# Altium PCB radxa_nx4_io_board_v1.11.PcbDoc (part 10 of 13)
Units mil, origin at the board's own origin, x right, y up, seen from the top; angles counter-clockwise.
Board outline 3937.01 x 3110.23 mil, 6 copper layers (TOP, GND02, ART03, ART04, GND05, BOTTOM), stack 47.2 mil thick; 639 components, 522 nets, 2442 pads, 1896 vias.
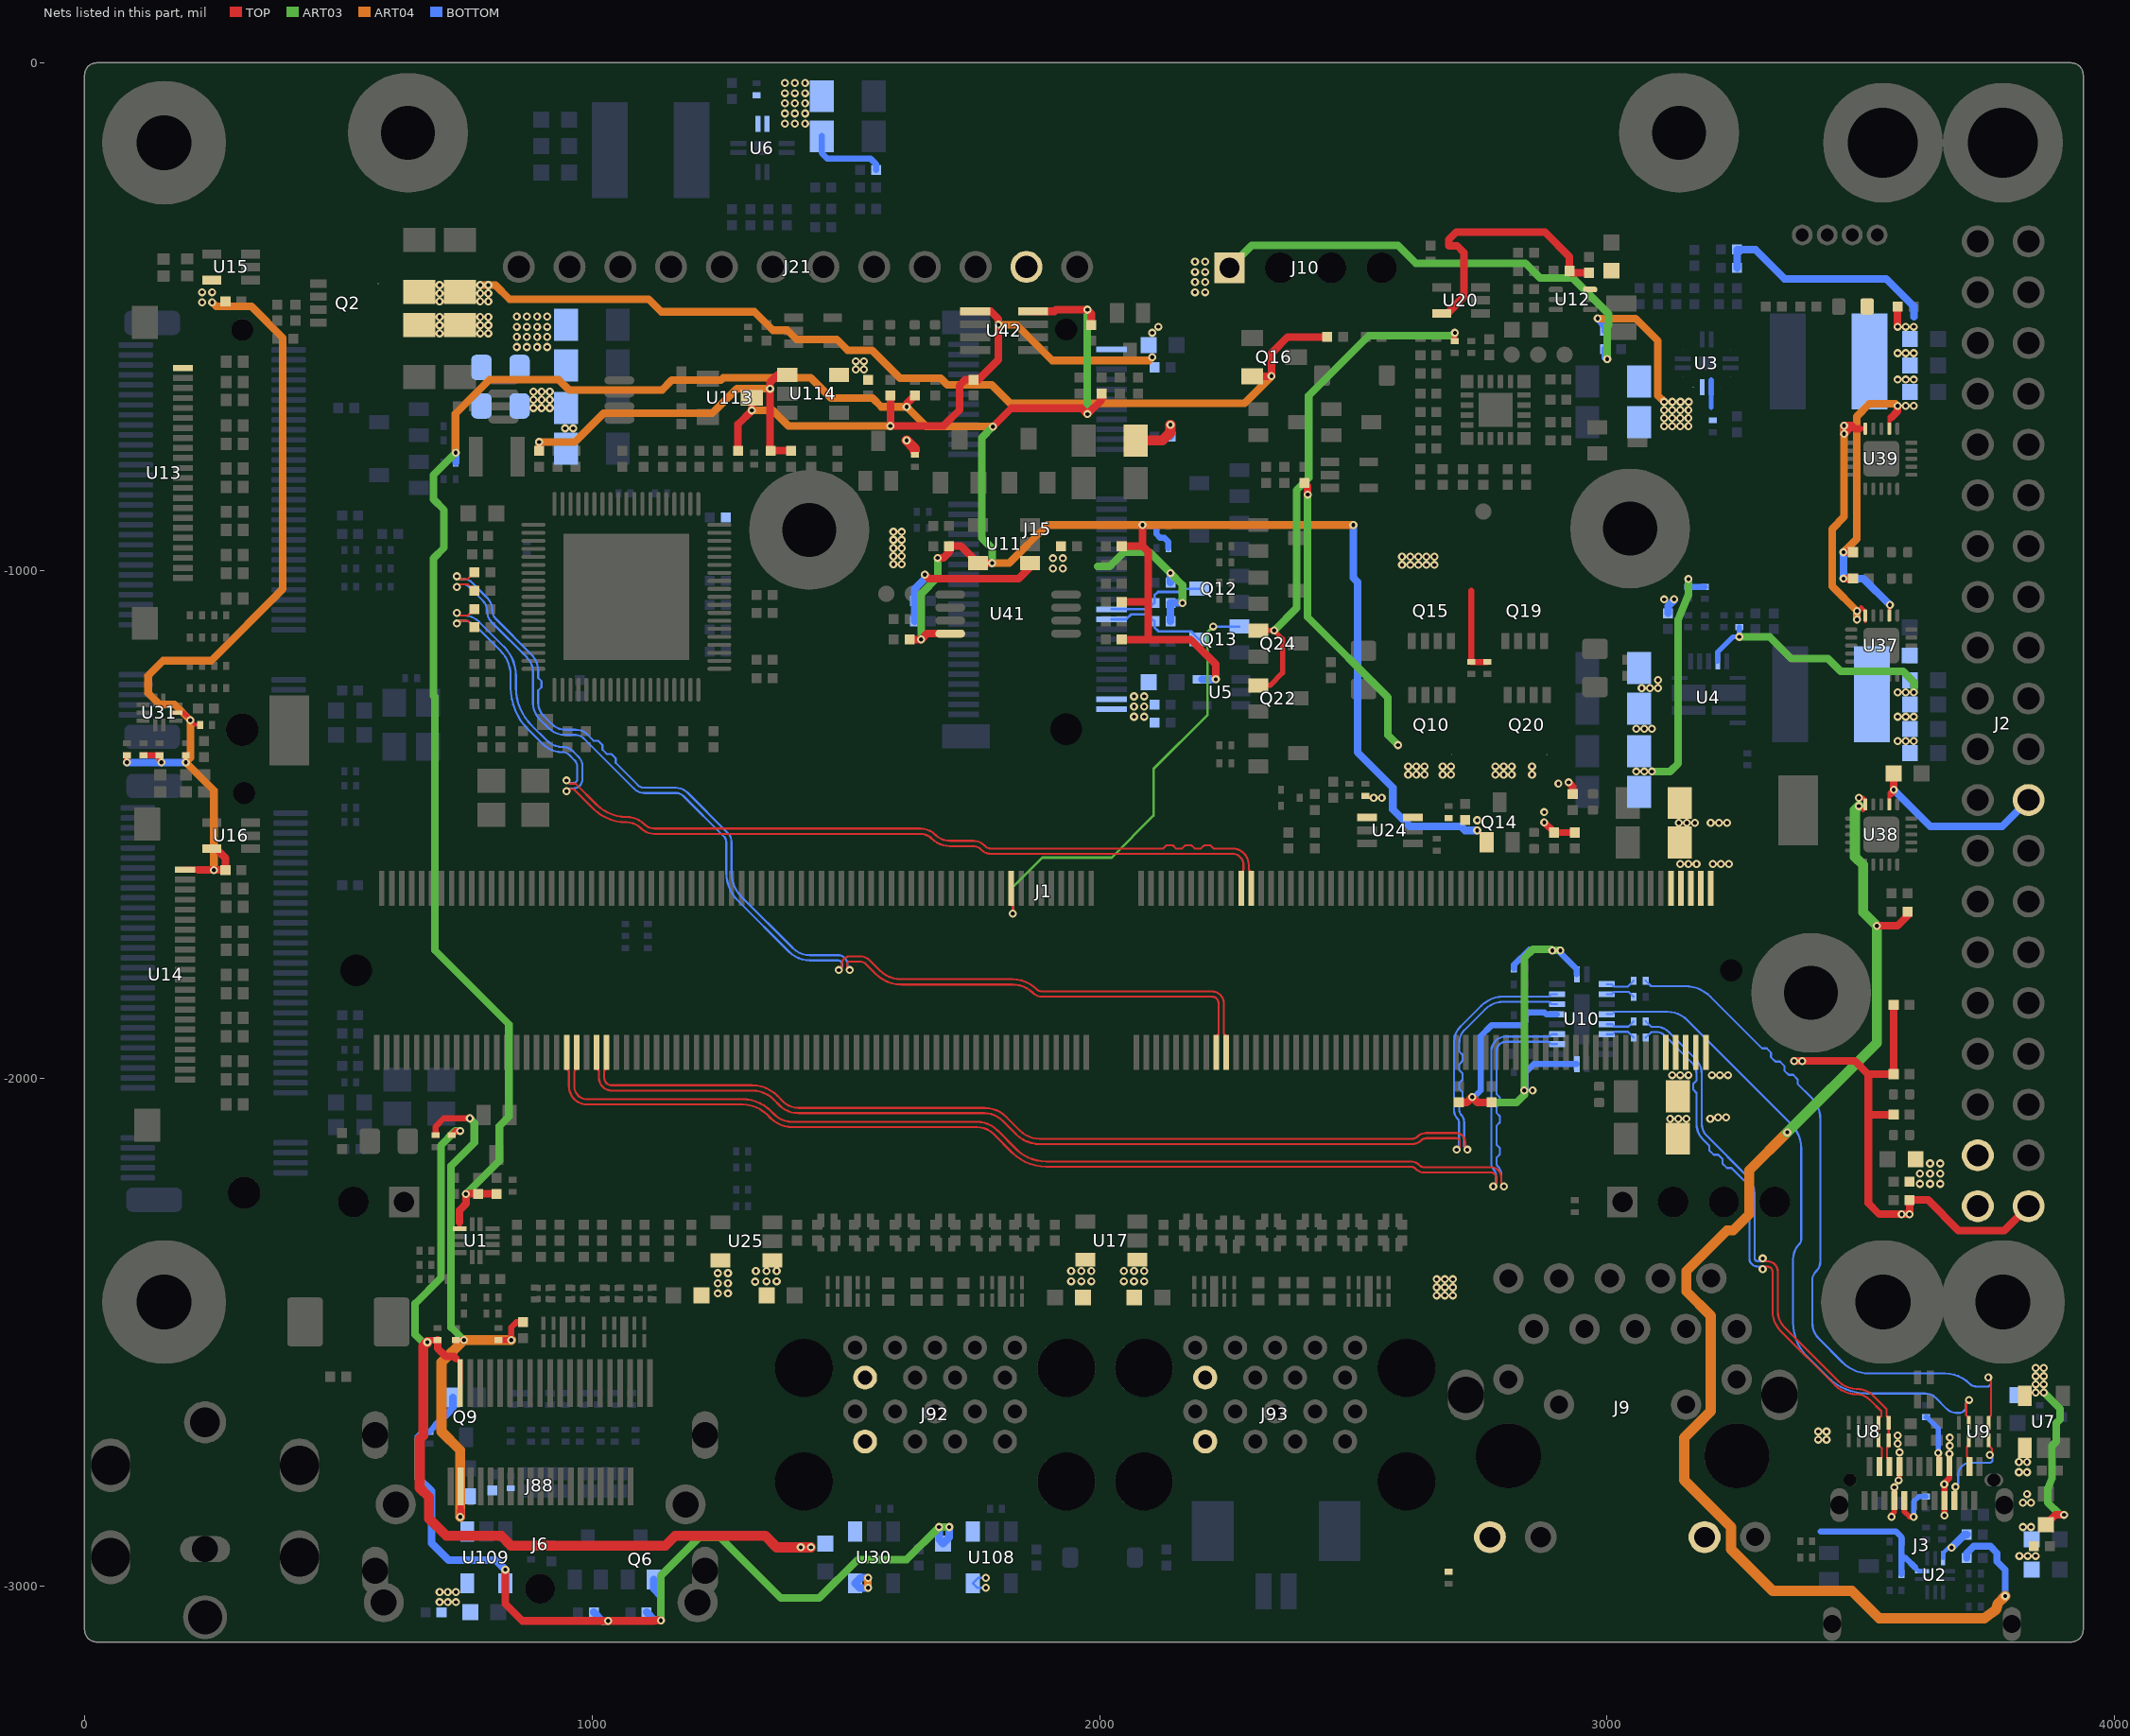
[diagram p14: the nets of this part, all layers, seen from the top]

## Via types
v1: diameter 16, hole 8, TOP to BOTTOM, 1896 vias

## Nets (pads, with @x,y where several pads share a name; then routed paths per layer and width w, separated by ;. In a path a pad name is that pad's centre, name@x,y a point inside that pad or via, vN(x,y) a via of type N, cw(c..) or ccw(c..) an arc to the next point about the centre after c; other vN are vias at no path point) (continued)
USBC_RX2_P: J3.A11 U9.2 U9.9 U10.14 | length 1442
  TOP w4.06: v1(3712.63,-2633.76) 3707.31,-2639.08 3707.31,-2664 3712.32,-2669.01 U9.9@3712.32,-2678.78 U9.2@3712.32,-2713.22 3712.32,-2722.68 3708.84,-2726.16 3708.84,-2744.84 3713.5,-2749.5 J3.A11@3713.5,-2765.19
  BOTTOM w4.06: U10.14@2999.36,-1874 3010.01,-1874 3014.7,-1869.31 3119.05,-1869.31 cw(c3119.04,-1923.07) 3157.06,-1885.06 3361.93,-2089.93 cw(c3312.96,-2138.91) 3382.22,-2138.9 3382.22,-2318.12 cw(c3370.11,-2318.11) 3378.66,-2326.69 ccw(c3408.64,-2356.7) 3366.22,-2356.71 3366.22,-2481.41 ccw(c3461.49,-2481.42) 3394.12,-2548.78 3434.26,-2588.92 ccw(c3511.57,-2511.59) 3511.58,-2620.94 3626.36,-2620.94 cw(c3626.35,-2650.27) 3647.09,-2629.53 3669.14,-2651.58 ccw(c3687.64,-2633.06) 3669.57,-2652 ccw(c3687.65,-2633.08) 3687.65,-2659.25 3692.89,-2659.25 ccw(c3692.89,-2644.83) 3707.31,-2644.83 3707.31,-2639.08 v1(3712.63,-2633.76)
USBC_SBU1: J3.A8 R59.2 | length 109.5
  TOP w10: v1(3652,-2738) 3654.45,-2740.45 J3.A8@3654.45,-2765.19
  BOTTOM w10: R59.2@3628,-2667.81 3629.97,-2667.81 3652,-2689.84 v1(3652,-2738)
USBC_SBU2: J3.B8 R60.2 | length 102.8
  TOP w10: J3.B8@3585.55,-2831.73 3585.55,-2853.98 3595.56,-2863.99 v1(3603.58,-2863.99)
  BOTTOM w10: v1(3603.58,-2863.99) 3603.58,-2834.19 3613.58,-2824.19 R60.2@3628,-2824.19
USBC_TX1_C_N: C31.1 U10.15 | length 59.1
  BOTTOM w4.06: U10.15@2999.36,-1893.68 3009.68,-1893.68 3014.35,-1898.35 3041.84,-1898.35 C31.1@3052.19,-1888
USBC_TX1_C_P: C32.1 U10.16 | length 59.4
  BOTTOM w4.06: U10.16@2999.36,-1913.37 3010.63,-1913.37 3015.29,-1908.71 3040.9,-1908.71 C32.1@3052.19,-1920
USBC_TX1_N: C31.2 J3.A3 U8.1 U8.10 | length 1123.2
  TOP w4.06: v1(3306.42,-2355.06) 3312.29,-2360.93 3316,-2360.93 cw(c3316,-2380.93) 3336,-2380.93 3336,-2458.67 ccw(c3381.07,-2458.67) 3349.2,-2490.54 3456.42,-2597.76 ccw(c3490.79,-2563.4) 3490.79,-2612 cw(c3490.8,-2659.95) 3524.71,-2626.05 3550.36,-2651.7 3550.36,-2665.36 3554.37,-2669.37 U8.1@3554.37,-2678.78 U8.10@3554.37,-2713.22 3554.37,-2725.64 3551.36,-2728.65 3551.36,-2747.36 3556.02,-2752.02 J3.A3@3556.02,-2765.19
  BOTTOM w4.06: C31.2@3075.81,-1888 3086.45,-1898.64 3096.97,-1898.64 cw(c3096.97,-1931.64) 3120.31,-1908.31 3173.75,-1961.75 cw(c3143.25,-1992.26) 3186.39,-1992.25 3186.39,-2089.52 ccw(c3220.71,-2089.51) 3196.45,-2113.79 3276.73,-2194.07 cw(c3243.75,-2227.05) 3290.39,-2227.05 3290.39,-2354.77 ccw(c3296,-2354.77) 3296,-2360.38 3301.1,-2360.38 v1(3306.42,-2355.06)
USBC_TX1_P: C32.2 J3.A2 U8.2 U8.9 | length 1123.7
  TOP w4.06: v1(3306.42,-2376.06) 3311.19,-2371.29 3316,-2371.29 cw(c3316,-2380.93) 3325.64,-2380.93 3325.64,-2458.67 ccw(c3381.08,-2458.68) 3341.87,-2497.87 3449.09,-2605.09 ccw(c3490.78,-2563.4) 3490.79,-2622.36 cw(c3490.79,-2659.94) 3517.38,-2633.38 3540,-2656 3540,-2665.59 3534.68,-2670.91 U8.2@3534.68,-2678.78 U8.9@3534.68,-2713.22 3534.68,-2722.68 3541,-2729 3541,-2747 3536.34,-2751.66 J3.A2@3536.34,-2765.19
  BOTTOM w4.06: C32.2@3075.81,-1920 3086.81,-1909 3096.97,-1909 cw(c3096.96,-1931.64) 3112.98,-1915.64 3166.42,-1969.08 cw(c3143.25,-1992.27) 3176.03,-1992.26 3176.03,-2004.44 3169.73,-2010.74 3169.73,-2022.92 3176.03,-2029.22 3176.03,-2089.53 ccw(c3220.72,-2089.52) 3189.12,-2121.12 3201.23,-2133.23 3201.23,-2142.15 3209.85,-2150.77 3218.77,-2150.77 3227.38,-2159.38 3227.38,-2168.3 3235.99,-2176.91 3244.91,-2176.91 3269.4,-2201.4 cw(c3243.75,-2227.06) 3280.03,-2227.05 3280.03,-2354.77 ccw(c3296,-2354.77) 3296,-2370.74 3301.1,-2370.74 v1(3306.42,-2376.06)
USBC_TX2_C_N: C33.1 U10.11 | length 59.6
  BOTTOM w4.06: U10.11@2999.36,-1814.94 3008.94,-1814.94 3013.61,-1819.61 3040.58,-1819.61 C33.1@3052.19,-1808
USBC_TX2_C_P: C34.1 U10.12 | length 58.9
  BOTTOM w4.06: U10.12@2999.36,-1834.63 3009.37,-1834.63 3014.03,-1829.97 3042.16,-1829.97 C34.1@3052.19,-1840
USBC_TX2_N: C33.2 J3.B3 U9.4 U9.7 | length 1620.6
  TOP w4.06: J3.B3@3683.98,-2831.73 3683.98,-2807.11 v1(3686.12,-2804.97) ; v1(3750.68,-2589.32) 3756,-2594.64 3756,-2664 3751.68,-2668.32 U9.7@3751.68,-2678.78 U9.4@3751.68,-2713.22 3751.68,-2723.68 3758,-2730 3758,-2737.67 3757,-2738.67 3757,-2738.77 v1(3753.68,-2742.09)
  BOTTOM w4.06: C33.2@3075.81,-1808 3086.63,-1818.82 3153.32,-1818.82 cw(c3153.32,-1890.02) 3203.66,-1839.67 3305.23,-1941.24 3314.15,-1941.24 3322.76,-1949.85 3322.76,-1958.77 3331.37,-1967.38 3340.29,-1967.38 3348.9,-1975.99 3348.9,-1984.91 3357.51,-1993.52 3366.43,-1993.52 3375.04,-2002.13 3375.04,-2011.05 3401.41,-2037.42 cw(c3356.53,-2082.3) 3420,-2082.3 3420,-2360.23 cw(c3391.58,-2360.23) 3411.68,-2380.32 ; 3411.67,-2380.33 ccw(c3430.16,-2398.84) 3404,-2398.83 3404,-2481.39 ccw(c3448.95,-2481.39) 3417.17,-2513.18 3463.87,-2559.88 ccw(c3516.4,-2507.35) 3516.4,-2581.64 3665.88,-2581.64 cw(c3665.88,-2648.66) 3713.27,-2601.27 ccw(c3728,-2586.54) 3728,-2607.37 3748.63,-2607.37 ccw(c3748.63,-2600) 3756,-2600 3756,-2594.64 v1(3750.68,-2589.32) ; v1(3686.12,-2804.97) 3691.44,-2799.65 3691.44,-2781.78 cw(c3716,-2781.78) 3716,-2757.22 3753.78,-2757.22 ccw(c3753.78,-2752) 3759,-2752 3759,-2747.41 v1(3753.68,-2742.09)
USBC_VBUS: C66.1 C68.1 C69.1 C72.1 J3.A4 J3.A9 J3.B4 J3.B9 U2.8 U7.1 | length 285.6
  TOP w10: v1(3560,-2864) 3560,-2860 3565.87,-2854.13 J3.B9@3565.87,-2831.73 v1(3565.87,-2805.87) ; v1(3574,-2792) 3575.71,-2790.29 J3.A4@3575.71,-2765.19
  TOP w12: v1(3664.29,-2861.43) J3.B4@3664.29,-2831.73 3664.29,-2800.29 v1(3664,-2800) 3664,-2798 3674.13,-2787.87 J3.A9@3674.13,-2765.19 v1(3674.13,-2739.87)
  BOTTOM w8: U2.8@3661.75,-2945.4 3661.75,-2935.25 3672.63,-2924.37 v1(3678.24,-2924.37)
  BOTTOM w15: v1(3678.24,-2924.37) 3678.88,-2924.37 3704.25,-2899 C66.1@3708.25,-2899
  other v1: 3812,-2941 3828,-2941 3844,-2941 3819,-2884 3835,-2884 3819,-2836 3835,-2836 3827,-2819 3811,-2776 3827,-2776 3811,-2756 3827,-2756 3576,-2737 3675,-2724 3572,-2720 3675,-2708 3572,-2704
USBSS1_RX_N: J1.39 U10.3 | length 2401.3
  TOP w4.06: J1.39@950.19,-1948.92 950.19,-1982.18 954.85,-1986.84 954.85,-2016 ccw(c990.69,-2016) 990.69,-2051.84 1296.34,-2051.84 cw(c1296.33,-2121.48) 1345.58,-2072.24 1351.91,-2078.57 ccw(c1394.94,-2035.52) 1394.93,-2096.39 1758.51,-2096.39 cw(c1758.51,-2142.8) 1791.33,-2109.99 1827.83,-2146.49 ccw(c1895.12,-2079.19) 1895.11,-2174.36 2612.36,-2174.36 cw(c2612.36,-2189.48) 2620.88,-2176.99 cw(c2618.36,-2180.69) 2621.53,-2177.53 2622.8,-2178.79 ccw(c2639.63,-2162.03) 2639.62,-2185.78 2771.05,-2185.78 cw(c2771.05,-2195.71) 2780.98,-2195.71 2780.98,-2207.63 v1(2775.66,-2212.95)
  BOTTOM w4.06: v1(2775.66,-2212.95) 2780.98,-2207.63 2780.98,-2190.83 ccw(c2765.87,-2190.84) 2776.55,-2180.15 cw(c2787.68,-2169.02) 2771.94,-2169.02 2771.94,-1946.09 cw(c2800,-1946.09) 2800,-1918.03 2885.96,-1918.03 2890.62,-1913.37 U10.3@2900.94,-1913.37
USBSS1_RX_P: J1.41 U10.2 | length 2400.7
  TOP w4.06: J1.41@969.87,-1948.92 969.87,-1982.14 965.21,-1986.8 965.21,-2016 ccw(c990.69,-2016) 990.69,-2041.48 1296.34,-2041.48 cw(c1296.34,-2121.49) 1352.91,-2064.91 1359.24,-2071.24 ccw(c1394.95,-2035.52) 1394.94,-2086.03 1758.52,-2086.03 cw(c1758.52,-2142.8) 1798.66,-2102.66 1835.16,-2139.16 ccw(c1895.13,-2079.19) 1895.12,-2164 2612.36,-2164 cw(c2612.36,-2189.49) 2626.72,-2168.43 cw(c2618.4,-2180.73) 2628.85,-2170.18 2630.15,-2171.47 ccw(c2639.64,-2162.04) 2639.63,-2175.42 2771.05,-2175.42 cw(c2771.05,-2195.71) 2791.34,-2195.71 2791.34,-2207.63 v1(2796.66,-2212.95)
  BOTTOM w4.06: 2782.3,-2169.03 2782.3,-2156.39 2788.6,-2150.09 2788.6,-2137.91 2782.3,-2131.61 2782.3,-2093.35 2788.6,-2087.05 2788.6,-2074.87 2782.3,-2068.57 2782.3,-2056.39 2788.6,-2050.09 2788.6,-2037.91 2782.3,-2031.61 2782.3,-1946.09 cw(c2800,-1946.09) 2800,-1928.39 2884.4,-1928.39 2889.06,-1933.05 U10.2@2900.94,-1933.05 ; 2782.31,-2169.02 ccw(c2787.68,-2169.02) 2783.88,-2172.82 cw(c2765.87,-2190.83) 2791.34,-2190.82 2791.34,-2207.63 v1(2796.66,-2212.95)
USBSS1_TX_N: J1.45 U10.7 | length 2285.3
  TOP w4.06: J1.45@1009.24,-1948.92 1009.24,-1981.24 1013.91,-1985.91 1013.91,-1999.12 ccw(c1039.21,-1999.12) 1039.21,-2024.42 1315.73,-2024.42 cw(c1315.72,-2084.04) 1357.89,-2041.89 1369.65,-2053.65 ccw(c1406.64,-2016.65) 1406.65,-2068.97 1773.64,-2068.97 cw(c1773.64,-2118.85) 1808.92,-2083.59 1835.93,-2110.6 ccw(c1882.24,-2064.27) 1882.23,-2129.78 2616.06,-2129.78 ccw(c2616.05,-2105.23) 2633.41,-2122.59 cw(c2643.61,-2132.78) 2643.6,-2118.36 2702.77,-2118.36 cw(c2702.77,-2125.37) 2709.78,-2125.37 2709.78,-2134.61 v1(2703.55,-2140.84)
  BOTTOM w4.06: v1(2703.55,-2140.84) 2707.96,-2136.43 2707.96,-2086.29 ccw(c2699.06,-2086.29) 2705.35,-2080.01 cw(c2721.86,-2063.47) 2698.49,-2063.47 2698.49,-1928.23 cw(c2740.43,-1928.22) 2710.77,-1898.57 2751.92,-1857.42 cw(c2795.68,-1901.17) 2795.67,-1839.29 2884.72,-1839.29 2889.38,-1834.63 U10.7@2900.94,-1834.63
USBSS1_TX_P: J1.47 U10.6 | length 2284.7
  TOP w4.06: J1.47@1028.93,-1948.92 1028.93,-1981.07 1024.27,-1985.73 1024.27,-1999.12 ccw(c1039.21,-1999.12) 1039.21,-2014.06 1315.73,-2014.06 cw(c1315.73,-2084.05) 1365.22,-2034.56 1376.98,-2046.32 ccw(c1406.65,-2016.65) 1406.65,-2058.61 1773.65,-2058.61 cw(c1773.65,-2118.86) 1816.25,-2076.26 1843.26,-2103.27 ccw(c1882.25,-2064.27) 1882.24,-2119.42 2616.05,-2119.42 ccw(c2616.04,-2105.23) 2626.08,-2115.26 cw(c2643.61,-2132.78) 2643.61,-2108 2702.77,-2108 cw(c2702.77,-2125.37) 2720.14,-2125.37 2720.14,-2136.43 v1(2724.55,-2140.84)
  BOTTOM w4.06: 2708.86,-1928.23 cw(c2740.44,-1928.22) 2718.1,-1905.9 2759.25,-1864.75 cw(c2795.69,-1901.16) 2795.68,-1849.65 2885.64,-1849.65 2890.3,-1854.31 U10.6@2900.94,-1854.31 ; 2708.85,-1928.22 2708.85,-1947.61 2715.15,-1953.91 2715.15,-1966.09 2708.85,-1972.39 2708.85,-1984.57 2715.15,-1990.87 2715.15,-2003.05 2708.85,-2009.35 2708.85,-2021.53 2715.15,-2027.83 2715.15,-2040.01 2708.85,-2046.31 2708.85,-2063.47 ccw(c2721.85,-2063.45) 2712.67,-2072.66 ; 2712.68,-2072.68 cw(c2699.06,-2086.3) 2718.32,-2086.3 2718.32,-2134.61 v1(2724.55,-2140.84)
USBSS_TX6_HUB_N: C371.2 J1.161 | length 2145.3
  TOP w4.06: v1(733.97,-1011.5) 735.51,-1011.5 740.83,-1016.82 755.43,-1016.82 C371.2@768.25,-1004 ; v1(1507.68,-1787.04) 1502.49,-1781.85 1502.49,-1776 cw(c1508.13,-1776) 1508.13,-1770.36 1527.74,-1770.36 cw(c1527.73,-1787.86) 1540.11,-1775.49 1559.65,-1795.03 ccw(c1608.87,-1745.82) 1608.87,-1815.42 1828.54,-1815.42 cw(c1828.53,-1872.23) 1868.71,-1832.07 ; 1868.73,-1832.09 ccw(c1886.67,-1814.15) 1886.67,-1839.52 2221.9,-1839.52 cw(c2221.9,-1852) 2234.38,-1852 2234.38,-1912.44 2229.72,-1917.1 J1.161@2229.72,-1948.92
  BOTTOM w4.06: v1(733.97,-1011.5) 739.29,-1016.82 747.08,-1016.82 cw(c747.08,-1040.33) 763.71,-1023.71 793.3,-1053.3 cw(c767.47,-1079.13) 804,-1079.12 ; 804,-1079.13 ccw(c827.02,-1079.13) 810.75,-1095.41 879.87,-1164.53 cw(c844.92,-1199.5) 894.36,-1199.5 894.36,-1211.68 900.66,-1217.98 900.66,-1230.16 894.36,-1236.46 894.36,-1261.45 ccw(c928.8,-1261.43) 904.45,-1285.79 921.86,-1303.2 ccw(c947.07,-1277.98) 947.07,-1313.64 968.01,-1313.64 cw(c968.01,-1346.21) 991.04,-1323.18 1003.16,-1335.3 1012.08,-1335.3 1020.7,-1343.92 1020.7,-1352.84 1029.31,-1361.45 1038.23,-1361.45 1046.84,-1370.06 1046.84,-1378.98 1090.77,-1422.91 ccw(c1103.05,-1410.64) 1103.05,-1428 1165.68,-1428 cw(c1165.67,-1459.37) 1187.85,-1437.18 1267.75,-1517.08 cw(c1250.22,-1534.59) 1275,-1534.59 1275,-1594.43 ccw(c1343.99,-1594.42) 1295.21,-1643.21 1395.54,-1743.54 ccw(c1429.75,-1709.33) 1429.75,-1757.71 1484.98,-1757.71 cw(c1484.98,-1776) 1503.27,-1776 1503.27,-1782.63 v1(1507.68,-1787.04)
USBSS_TX6_HUB_P: C373.2 J1.163 | length 2146.8
  TOP w4.06: v1(733.97,-1032.5) 739.29,-1027.18 755.43,-1027.18 C373.2@768.25,-1040 ; v1(1486.68,-1787.04) 1492.13,-1781.59 1492.13,-1776 cw(c1508.13,-1776) 1508.13,-1760 1527.75,-1760 cw(c1527.74,-1787.86) 1547.44,-1768.16 1566.98,-1787.7 ccw(c1608.88,-1745.82) 1608.87,-1805.06 1828.55,-1805.06 cw(c1828.53,-1872.24) 1876.04,-1824.74 ccw(c1886.68,-1814.15) 1886.67,-1829.16 2221.9,-1829.16 cw(c2221.9,-1852) 2244.74,-1852 2244.74,-1912.44 2249.4,-1917.1 J1.163@2249.4,-1948.92
  BOTTOM w4.06: v1(733.97,-1032.5) 739.29,-1027.18 747.08,-1027.18 cw(c747.07,-1040.33) 756.38,-1031.04 785.97,-1060.63 cw(c767.48,-1079.14) 793.64,-1079.13 ccw(c827.02,-1079.13) 803.42,-1102.74 872.54,-1171.86 cw(c844.92,-1199.51) 884,-1199.5 884,-1261.46 ccw(c928.81,-1261.44) 897.12,-1293.12 914.53,-1310.53 ccw(c947.06,-1277.98) 947.07,-1324 968.01,-1324 cw(c968,-1346.2) 983.71,-1330.51 1083.44,-1430.24 ccw(c1103.04,-1410.64) 1103.05,-1438.36 1165.67,-1438.36 cw(c1165.67,-1459.37) 1180.52,-1444.51 1260.42,-1524.41 cw(c1250.22,-1534.6) 1264.64,-1534.6 1264.64,-1594.43 ccw(c1344,-1594.43) 1287.88,-1650.54 1388.21,-1750.87 ccw(c1429.74,-1709.33) 1429.75,-1768.07 1484.98,-1768.07 cw(c1484.98,-1776) 1492.91,-1776 1492.91,-1780.81 v1(1486.68,-1787.04)
USBSS_TX6_N: C375.2 J1.166 | length 1970.9
  TOP w4.06: v1(733.97,-1083.5) 739.29,-1088.82 755.43,-1088.82 C375.2@768.25,-1076 ; v1(950,-1434.68) 954.41,-1430.27 963.61,-1430.27 1001.87,-1468.53 ccw(c1068.18,-1402.23) 1068.18,-1496 cw(c1068.17,-1536.48) 1096.8,-1507.86 ccw(c1123.15,-1481.52) 1123.16,-1518.78 1646.99,-1518.78 cw(c1646.98,-1550.5) 1669.41,-1528.07 ; 1669.42,-1528.08 ccw(c1705.3,-1492.19) 1705.31,-1542.94 1750.97,-1542.94 cw(c1750.96,-1564.11) 1765.93,-1549.14 1767.03,-1550.24 ccw(c1785.63,-1531.62) 1785.64,-1557.94 2261.53,-1557.94 cw(c2261.53,-1580) 2283.59,-1580 2283.59,-1589.41 2278.93,-1594.07 J1.166@2278.93,-1626.09
  BOTTOM w4.06: v1(733.97,-1083.5) 739.29,-1088.82 747.95,-1088.82 cw(c747.95,-1130.85) 777.67,-1101.13 826.5,-1149.96 cw(c768.88,-1207.57) 850.36,-1207.57 850.36,-1230.67 ccw(c955.5,-1230.67) 881.16,-1305.02 910.84,-1334.7 ccw(c942.01,-1303.53) 942.01,-1347.61 ; 942.04,-1347.61 cw(c942.04,-1377.16) 962.94,-1356.27 973.37,-1366.71 cw(c953.75,-1386.32) 981.49,-1386.34 981.49,-1411 cw(c963.13,-1411) 963.13,-1429.36 955.32,-1429.36 v1(950,-1434.68)
USBSS_TX6_P: C377.2 J1.168 | length 1971.5
  TOP w4.06: v1(733.97,-1104.5) 739.29,-1099.18 755.43,-1099.18 C377.2@768.25,-1112 ; v1(950,-1413.68) 956.23,-1419.91 967.91,-1419.91 1009.2,-1461.2 ccw(c1068.18,-1402.22) 1068.18,-1485.63 cw(c1068.17,-1536.48) 1104.13,-1500.53 ccw(c1123.16,-1481.53) 1123.16,-1508.42 1646.99,-1508.42 cw(c1646.99,-1550.5) 1676.74,-1520.74 ccw(c1705.31,-1492.19) 1705.31,-1532.58 1750.97,-1532.58 cw(c1750.97,-1564.11) 1773.26,-1541.81 1774.36,-1542.91 ccw(c1785.64,-1531.62) 1785.64,-1547.58 2125.69,-1547.58 2131.99,-1541.28 2144.17,-1541.28 2150.47,-1547.58 2162.65,-1547.58 2168.95,-1541.28 2181.13,-1541.28 2187.43,-1547.58 2199.61,-1547.58 2205.91,-1541.28 2218.09,-1541.28 2224.39,-1547.58 2261.53,-1547.58 cw(c2261.53,-1580) 2293.95,-1580 2293.95,-1588.95 2298.61,-1593.61 J1.168@2298.61,-1626.09
  BOTTOM w4.06: v1(733.97,-1104.5) 739.29,-1099.18 747.95,-1099.18 cw(c747.94,-1130.85) 770.34,-1108.46 819.17,-1157.29 cw(c768.88,-1207.58) 840,-1207.57 840,-1230.67 ccw(c955.5,-1230.68) 873.83,-1312.35 903.51,-1342.03 ccw(c942,-1303.52) 942.01,-1357.97 ; 942.03,-1357.97 cw(c942.02,-1377.16) 955.6,-1363.6 966.04,-1374.04 cw(c953.75,-1386.33) 971.13,-1386.33 971.13,-1411 cw(c963.13,-1411) 963.13,-1419 955.32,-1419 v1(950,-1413.68)
VCC5V0_HUB: C401.1 C402.1 R361.2 U114.1 | length 730.8
  TOP w15: R361.2@896,-764.25 v1(896,-747) ; U114.1@1384.82,-614.6 1366,-614.6 1351,-629.6 v1(1351,-642) 1351,-763.25 C401.1@1352,-764.25 C402.1@1392,-764.25
  ART04 w15: v1(896,-747) 966.41,-747 1022.91,-690.5 1237.5,-690.5 1286,-642 v1(1351,-642)
VDD_1V8: C24.1 C50.1 C151.1 C160.1 C163.2 Q14.1 R3.1 R4.1 R26.1 R62.1 R63.1 R64.1 R69.1 R70.1 R126.1 R200.1 R208.1 R209.1 R210.1 R218.1 R222.1 R223.1 U1.9 U5.5 U11.5 U24.6 U37.20 U38.20 U39.20 U41.8 U42.8 | length 9749.8
  TOP w8: U1.9@739.52,-2296.38 739.52,-2284 ; v1(3496,-1448) 3504,-1448 3508.5,-1452.5 U38.20@3508.5,-1460.76 3508.5,-1467.5 3504,-1472 ; 3496,-720.76 U39.20@3508.5,-720.76 ; 3500,-1072 3508.5,-1080.5 U37.20@3508.5,-1088.76 U37.20@3508.5,-1099.5
  TOP w13.78: v1(2876,-1496) 2895,-1515 R4.1@2895,-1516.25 R3.1@2936,-1516.25
  TOP w15: 739.52,-2284 739.52,-2259.93 752,-2247.45 v1(752,-2228) 770.75,-2228 771,-2227.75 C50.1@776,-2227.75 R26.1@812,-2227.75 ; v1(1620,-677.75) 1620,-671.75 R223.1@1636,-655.75 ; C160.1@1625.75,-1136 v1(1648.59,-1136) 1660.19,-1124.4 U41.8@1705.8,-1124.4 ; v1(1681.12,-975.34) 1692.66,-975.34 1703.75,-964.25 C24.1@1703.75,-952 1727.42,-952 U11.5@1760.82,-985.4 v1(1788.47,-985.4) ; v1(1790,-716.69) 1826.16,-680.53 1964.53,-680.53 v1(1976,-692) 2004,-664 R222.1@2004,-651.75 ; U42.8@1869.09,-489.61 1911.12,-489.61 1914.42,-486.31 v1(1976,-486.31) 1984,-494.31 C163.2@1984,-516.25 ; R210.1@2043.75,-1136 2096,-1136 ; R209.1@2043.75,-1062 2096,-1062 ; R208.1@2043.75,-952 2084.6,-952 ; v1(2084.6,-910.46) 2084.6,-952 ; v1(2229,-1214.41) 2229,-1185 2180,-1136 2096,-1136 ; 3496,-720.76 3488.4,-720.76 3482.64,-715 ; v1(3531,-1700) 3572,-1700 3591.75,-1680.25 R200.1@3591.75,-1672 ; 2084.6,-952 2096,-963.4 2096,-1062 ; 2096,-1136 2096,-1062 ; 3482.64,-715 v1(3466.64,-715) v1(3466.64,-731) 3482.64,-715
  ART03 w15: v1(731.81,-768) 688,-811.81 688,-860 708.76,-880.76 708.76,-955.24 688,-976 688,-1247 690.33,-1249.33 690.33,-1747.71 836.5,-1893.88 836.5,-2075.58 817.84,-2094.24 817.84,-2162.16 v1(752,-2228) ; v1(1648.59,-1136) 1648.59,-1045.76 1681.5,-1012.85 1681.5,-975.72 v1(1681.12,-975.34) ; v1(1788.47,-985.4) 1788.47,-956.48 1768,-936.01 1768,-738.69 v1(1790,-716.69) ; v1(1976,-692) v1(1976,-486.31)
  ART03 w20: v1(3354.76,-2106.75) 3531,-1930.51 v1(3531,-1700) 3504,-1673 3504,-1580 3488,-1564 3488,-1472 v1(3496,-1464)
  ART04 w15: v1(731.81,-768) 731.2,-767.39 731.2,-691.25 797.95,-624.5 934.94,-624.5 954.94,-644.5 1138.22,-644.5 1157.37,-625.35 1254.22,-625.35 1259.07,-620.5 1430.82,-620.5 1470.82,-660.5 1552.91,-660.5 1570.16,-677.75 v1(1620,-677.75) 1658.94,-716.69 v1(1790,-716.69) ; v1(1788.47,-985.4) 1822.02,-985.4 1896.96,-910.46 v1(2084.6,-910.46) 2499.95,-910.46 v1(2500,-910.41) ; v1(3466.64,-715) v1(3466.64,-731) 3466.64,-894.52 3443,-918.16 3443,-1031 v1(3492,-1080) v1(3492,-1096.76)
  ART04 w20: v1(3354.76,-2106.75) 3280,-2181.51 3280,-2268 3248,-2300 3236,-2300 3156,-2380 3156,-2420 3204,-2468 3204,-2656 3152,-2708 3152,-2792 3244,-2884 3244,-2928 3326,-3010 3482,-3010 3536,-3064 3742.9,-3064 3765.63,-3047.15 3769.44,-3034.56 v1(3784,-3020)
  BOTTOM w12: R70.1@2112.19,-912 2112.19,-928.19 2120,-936 2128,-936 2135.81,-943.81 R69.1@2135.81,-956
  BOTTOM w13.78: R62.1@731.81,-788 v1(731.81,-768) R64.1@731.81,-744 R63.1@731.81,-716 ; R126.1@3708.25,-2944.86 3708.25,-2935.91 3722.03,-2922.13 3754.93,-2922.13 3768,-2935.2 3768,-2952 3784,-2968 v1(3784,-3020)
  BOTTOM w15: v1(2084.6,-910.46) 2110.65,-910.46 R70.1@2112.19,-912 ; U5.5@2201.81,-1214.41 v1(2229,-1214.41) ; v1(2500,-910.41) 2500,-1014.41 2508,-1022.41 2508,-1358 2577.7,-1427.7 2577.7,-1470.29 2611.41,-1504 2712,-1504 2720,-1512 v1(2744,-1512)
  other v1: 2744,-1492 2876,-1476
VDD_3V3_DP: C87.1 C125.1 J88.20 R24.2 U30.1 | length 1780.5
  TOP w10: 732,-2552 740.52,-2560.52 J88.20@740.52,-2600.64
  TOP w12: v1(675.81,-2520) 680,-2515.81 C87.1@696,-2515.81 ; R24.2@724,-2112.19 732.26,-2103.93 v1(740.66,-2103.93)
  TOP w15: C87.1@696,-2515.81 696,-2532 712,-2548 728,-2548 732,-2552
  TOP w20: v1(675.81,-2520) 668,-2527.81 668,-2704 661,-2711 661,-2806.74 679.13,-2824.87 679.13,-2867.13 713.5,-2901.5 821.5,-2901.5 840.81,-2920.81 1144.69,-2920.81 1164,-2901.5 1341.5,-2901.5 1364,-2924 v1(1411.43,-2924) v1(1431.25,-2924)
  ART03 w15: v1(675.81,-2520) 667,-2520 652,-2505 652,-2444.01 702.5,-2393.51 702.5,-2132.5 731.07,-2103.93 v1(740.66,-2103.93)
VDD_3V3_HDMI: C169.1 Q6.1 Q9.1 R77.1 R127.2 R128.1 U108.1 U109.4 | length 1940.5
  TOP w15: v1(829.4,-2968) 829.4,-3035.36 863,-3068.96 v1(1032,-3068.96) 1123.04,-3068.96 1124,-3068 v1(1136,-3068)

## Text inside footprints (layer, text, board x,y; h text height)
J1: REVISION "2" at 1874.15,-1783.57 h40 r180; PIN_NUMBER "236" at 2958.31,-1626.09 h8 r180; PIN_NUMBER "238" at 2977.99,-1626.09 h8 r180; PIN_NUMBER "231" at 2909.09,-1948.92 h8 r180; PIN_NUMBER "80" at 1347.33,-1626.09 h8 r180; PIN_NUMBER "86" at 1406.39,-1626.09 h8 r180; PIN_NUMBER "62" at 1170.17,-1626.09 h8 r180; PIN_NUMBER "38" at 933.95,-1626.09 h8 r180; PIN_NUMBER "32" at 874.89,-1626.09 h8 r180; PIN_NUMBER "26" at 815.84,-1626.09 h8 r180; PIN_NUMBER "135" at 1885.47,-1948.92 h8 r180; PIN_NUMBER "141" at 1944.53,-1948.92 h8 r180; PIN_NUMBER "119" at 1727.99,-1948.92 h8 r180; PIN_NUMBER "125" at 1787.05,-1948.92 h8 r180; PIN_NUMBER "171" at 2318.54,-1948.92 h8 r180; PIN_NUMBER "177" at 2377.6,-1948.92 h8 r180; PIN_NUMBER "201" at 2613.82,-1948.92 h8 r180; PIN_NUMBER "250" at 3096.1,-1626.09 h8 r180; PIN_NUMBER "248" at 3076.42,-1626.09 h8 r180; PIN_NUMBER "246" at 3056.73,-1626.09 h8 r180; PIN_NUMBER "244" at 3037.05,-1626.09 h8 r180; PIN_NUMBER "242" at 3017.36,-1626.09 h8 r180; PIN_NUMBER "73" at 1278.44,-1948.92 h8 r180; PIN_NUMBER "19" at 746.94,-1948.92 h8 r180; PIN_NUMBER "25" at 805.99,-1948.92 h8 r180; PIN_NUMBER "49" at 1042.21,-1948.92 h8 r180; PIN_NUMBER "50" at 1052.06,-1626.09 h8 r180; PIN_NUMBER "2" at 582.82,-1626.09 h8 r180; PIN_NUMBER "1" at 572.97,-1948.92 h8 r180; PIN_NUMBER "7" at 632.03,-1948.92 h8 r180; PIN_NUMBER "13" at 687.88,-1948.92 h8 r180; PIN_NUMBER "200" at 2603.98,-1626.09 h8 r180; PIN_NUMBER "241" at 3007.52,-1948.92 h8 r180; PIN_NUMBER "243" at 3027.2,-1948.92 h8 r180; PIN_NUMBER "245" at 3046.89,-1948.92 h8 r180; PIN_NUMBER "247" at 3066.57,-1948.92 h8 r180; PIN_NUMBER "249" at 3086.26,-1948.92 h8 r180; PIN_NUMBER "158" at 2190.59,-1626.09 h8 r180; PIN_NUMBER "152" at 2131.53,-1626.09 h8 r180; PIN_NUMBER "164" at 2249.64,-1626.09 h8 r180; PIN_NUMBER "165" at 2259.49,-1948.92 h8 r180; PIN_NUMBER "159" at 2200.43,-1948.92 h8 r180; PIN_NUMBER "153" at 2141.38,-1948.92 h8 r180; PIN_NUMBER "85" at 1396.55,-1948.92 h8 r180; PIN_NUMBER "79" at 1337.49,-1948.92 h8 r180; PIN_NUMBER "132" at 1855.94,-1626.09 h8 r180; PIN_NUMBER "138" at 1915,-1626.09 h8 r180; PIN_NUMBER "144" at 1974.05,-1626.09 h8 r180; PIN_NUMBER "261" at 3366.77,-1472.55 h8 r180; PIN_NUMBER "262" at 394.33,-1315.07 h8 r180; PIN_NUMBER "55" at 1101.27,-1948.92 h8 r180; PIN_NUMBER "61" at 1160.32,-1948.92 h8 r180; PIN_NUMBER "146" at 2072.48,-1626.09 h8 r180; PIN_NUMBER "113" at 1668.94,-1948.92 h8 r180; PIN_NUMBER "102" at 1560.67,-1626.09 h8 r180; PIN_NUMBER "129" at 1826.42,-1948.92 h8 r180; PIN_NUMBER "147" at 2082.32,-1948.92 h8 r180; PIN_NUMBER "8" at 641.87,-1626.09 h8 r180; PIN_NUMBER "14" at 697.73,-1626.09 h8 r180; PIN_NUMBER "20" at 756.78,-1626.09 h8 r180; PIN_NUMBER "44" at 993,-1626.09 h8 r180; PIN_NUMBER "56" at 1111.11,-1626.09 h8 r180; PIN_NUMBER "68" at 1229.22,-1626.09 h8 r180; PIN_NUMBER "74" at 1288.28,-1626.09 h8 r180; PIN_NUMBER "107" at 1609.88,-1948.92 h8 r180; PIN_NUMBER "37" at 924.1,-1948.92 h8 r180; PIN_NUMBER "67" at 1219.38,-1948.92 h8 r180; PIN_NUMBER "31" at 865.05,-1948.92 h8 r180; PIN_NUMBER "43" at 983.16,-1948.92 h8 r180; PIN_NUMBER "170" at 2308.7,-1626.09 h8 r180; PIN_NUMBER "176" at 2367.75,-1626.09 h8 r180; PIN_NUMBER "99" at 1534.34,-1948.92 h8 r180; PIN_NUMBER "101" at 1550.83,-1948.92 h8 r180; PIN_NUMBER "199" at 2594.13,-1948.92 h8 r180; PIN_NUMBER "197" at 2574.45,-1948.92 h8 r180; PIN_NUMBER "96" at 1504.81,-1626.09 h8 r180; PIN_NUMBER "94" at 1485.13,-1626.09 h8 r180; PIN_NUMBER "230" at 2899.25,-1626.09 h8 r180; PIN_NUMBER "123" at 1767.36,-1948.92 h8 r180; PIN_NUMBER "108" at 1619.72,-1626.09 h8 r180; PIN_NUMBER "110" at 1639.41,-1626.09 h8 r180; PIN_NUMBER "128" at 1816.57,-1626.09 h8 r180; PIN_NUMBER "178" at 2387.44,-1626.09 h8 r180; PIN_NUMBER "175" at 2357.91,-1948.92 h8 r180; PIN_NUMBER "167" at 2279.17,-1948.92 h8 r180; PIN_NUMBER "235" at 2948.46,-1948.92 h8 r180; PIN_NUMBER "105" at 1590.2,-1948.92 h8 r180; PIN_NUMBER "186" at 2466.18,-1626.09 h8 r180; PIN_NUMBER "184" at 2446.49,-1626.09 h8 r180; PIN_NUMBER "192" at 2525.24,-1626.09 h8 r180; PIN_NUMBER "190" at 2505.55,-1626.09 h8 r180; PIN_NUMBER "198" at 2584.29,-1626.09 h8 r180; PIN_NUMBER "196" at 2564.61,-1626.09 h8 r180; PIN_NUMBER "204" at 2643.35,-1626.09 h8 r180; PIN_NUMBER "202" at 2623.66,-1626.09 h8 r180; PIN_NUMBER "169" at 2298.86,-1948.92 h8 r180; PIN_NUMBER "71" at 1258.75,-1948.92 h8 r180; PIN_NUMBER "161" at 2220.12,-1948.92 h8 r180; PIN_NUMBER "162" at 2229.96,-1626.09 h8 r180; PIN_NUMBER "77" at 1317.81,-1948.92 h8 r180; PIN_NUMBER "150" at 2111.85,-1626.09 h8 r180; PIN_NUMBER "163" at 2239.8,-1948.92 h8 r180; PIN_NUMBER "142" at 1954.37,-1626.09 h8 r180; PIN_NUMBER "100" at 1540.98,-1626.09 h8 r180; PIN_NUMBER "213" at 2731.93,-1948.92 h8 r180; PIN_NUMBER "215" at 2751.61,-1948.92 h8 r180; PIN_NUMBER "157" at 2180.75,-1948.92 h8 r180; PIN_NUMBER "182" at 2426.81,-1626.09 h8 r180; PIN_NUMBER "173" at 2338.23,-1948.92 h8 r180; PIN_NUMBER "151" at 2121.69,-1948.92 h8 r180; PIN_NUMBER "63" at 1180.01,-1948.92 h8 r180; PIN_NUMBER "154" at 2151.22,-1626.09 h8 r180; PIN_NUMBER "234" at 2938.62,-1626.09 h8 r180; PIN_NUMBER "4" at 602.5,-1626.09 h8 r180; PIN_NUMBER "228" at 2879.57,-1626.09 h8 r180; PIN_NUMBER "185" at 2456.34,-1948.92 h8 r180; PIN_NUMBER "18" at 737.1,-1626.09 h8 r180; PIN_NUMBER "179" at 2397.28,-1948.92 h8 r180; PIN_NUMBER "6" at 622.19,-1626.09 h8 r180; PIN_NUMBER "16" at 717.41,-1626.09 h8 r180; PIN_NUMBER "187" at 2476.02,-1948.92 h8 r180; PIN_NUMBER "12" at 678.04,-1626.09 h8 r180; PIN_NUMBER "36" at 914.26,-1626.09 h8 r180; PIN_NUMBER "214" at 2741.77,-1626.09 h8 r180; PIN_NUMBER "75" at 1298.12,-1948.92 h8 r180; PIN_NUMBER "122" at 1757.52,-1626.09 h8 r180; PIN_NUMBER "237" at 2968.15,-1948.92 h8 r180; PIN_NUMBER "180" at 2407.12,-1626.09 h8 r180; PIN_NUMBER "194" at 2544.92,-1626.09 h8 r180; PIN_NUMBER "95" at 1494.97,-1948.92 h8 r180; PIN_NUMBER "232" at 2918.94,-1626.09 h8 r180; PIN_NUMBER "174" at 2348.07,-1626.09 h8 r180; PIN_NUMBER "168" at 2289.01,-1626.09 h8 r180; PIN_NUMBER "172" at 2328.38,-1626.09 h8 r180; PIN_NUMBER "83" at 1376.86,-1948.92 h8 r180; PIN_NUMBER "127" at 1806.73,-1948.92 h8 r180; PIN_NUMBER "91" at 1455.6,-1948.92 h8 r180; PIN_NUMBER "208" at 2682.72,-1626.09 h8 r180; PIN_NUMBER "183" at 2436.65,-1948.92 h8 r180; PIN_NUMBER "98" at 1524.5,-1626.09 h8 r180; PIN_NUMBER "97" at 1514.66,-1948.92 h8 r180; PIN_NUMBER "69" at 1239.06,-1948.92 h8 r180; PIN_NUMBER "239" at 2987.83,-1948.92 h8 r180; PIN_NUMBER "81" at 1357.18,-1948.92 h8 r180; PIN_NUMBER "118" at 1718.15,-1626.09 h8 r180; PIN_NUMBER "189" at 2495.71,-1948.92 h8 r180; PIN_NUMBER "140" at 1934.68,-1626.09 h8 r180; PIN_NUMBER "240" at 2997.68,-1626.09 h8 r180; PIN_NUMBER "210" at 2702.4,-1626.09 h8 r180; PIN_NUMBER "160" at 2210.27,-1626.09 h8 r180; PIN_NUMBER "181" at 2416.97,-1948.92 h8 r180; PIN_NUMBER "65" at 1199.69,-1948.92 h8 r180; PIN_NUMBER "24" at 796.15,-1626.09 h8 r180; PIN_NUMBER "139" at 1924.84,-1948.92 h8 r180; PIN_NUMBER "136" at 1895.31,-1626.09 h8 r180; PIN_NUMBER "111" at 1649.25,-1948.92 h8 r180; PIN_NUMBER "114" at 1678.78,-1626.09 h8 r180; PIN_NUMBER "216" at 2761.46,-1626.09 h8 r180; PIN_NUMBER "156" at 2170.9,-1626.09 h8 r180; PIN_NUMBER "211" at 2712.24,-1948.92 h8 r180; PIN_NUMBER "137" at 1905.16,-1948.92 h8 r180; PIN_NUMBER "149" at 2102.01,-1948.92 h8 r180; PIN_NUMBER "155" at 2161.06,-1948.92 h8 r180; PIN_NUMBER "22" at 776.47,-1626.09 h8 r180; PIN_NUMBER "134" at 1875.63,-1626.09 h8 r180; PIN_NUMBER "148" at 2092.16,-1626.09 h8 r180; PIN_NUMBER "166" at 2269.33,-1626.09 h8 r180; PIN_NUMBER "133" at 1865.79,-1948.92 h8 r180; PIN_NUMBER "188" at 2485.86,-1626.09 h8 r180; PIN_NUMBER "233" at 2928.78,-1948.92 h8 r180; PIN_NUMBER "131" at 1846.1,-1948.92 h8 r180; PIN_NUMBER "89" at 1435.92,-1948.92 h8 r180; PIN_NUMBER "104" at 1580.35,-1626.09 h8 r180; PIN_NUMBER "112" at 1659.09,-1626.09 h8 r180; PIN_NUMBER "206" at 2663.03,-1626.09 h8 r180; PIN_NUMBER "106" at 1600.04,-1626.09 h8 r180; PIN_NUMBER "130" at 1836.26,-1626.09 h8 r180; PIN_NUMBER "109" at 1629.57,-1948.92 h8 r180; PIN_NUMBER "87" at 1416.23,-1948.92 h8 r180; PIN_NUMBER "30" at 855.21,-1626.09 h8 r180; PIN_NUMBER "115" at 1688.62,-1948.92 h8 r180; PIN_NUMBER "126" at 1796.89,-1626.09 h8 r180; PIN_NUMBER "117" at 1708.31,-1948.92 h8 r180; PIN_NUMBER "193" at 2535.08,-1948.92 h8 r180; PIN_NUMBER "10" at 658.36,-1626.09 h8 r180; PIN_NUMBER "28" at 835.52,-1626.09 h8 r180; PIN_NUMBER "120" at 1737.83,-1626.09 h8 r180; PIN_NUMBER "218" at 2781.14,-1626.09 h8 r180; PIN_NUMBER "93" at 1475.29,-1948.92 h8 r180; PIN_NUMBER "116" at 1698.46,-1626.09 h8 r180; PIN_NUMBER "34" at 894.58,-1626.09 h8 r180; PIN_NUMBER "195" at 2554.76,-1948.92 h8 r180; PIN_NUMBER "124" at 1777.2,-1626.09 h8 r180; PIN_NUMBER "121" at 1747.68,-1948.92 h8 r180; PIN_NUMBER "103" at 1570.51,-1948.92 h8 r180; PIN_NUMBER "217" at 2771.3,-1948.92 h8 r180; PIN_NUMBER "260" at 3194.53,-1626.09 h8 r180; PIN_NUMBER "258" at 3174.84,-1626.09 h8 r180; PIN_NUMBER "256" at 3155.16,-1626.09 h8 r180; PIN_NUMBER "254" at 3135.47,-1626.09 h8 r180; PIN_NUMBER "252" at 3115.79,-1626.09 h8 r180; PIN_NUMBER "251" at 3105.94,-1948.92 h8 r180; PIN_NUMBER "253" at 3125.63,-1948.92 h8 r180; PIN_NUMBER "255" at 3145.31,-1948.92 h8 r180; PIN_NUMBER "257" at 3165,-1948.92 h8 r180; PIN_NUMBER "259" at 3184.68,-1948.92 h8 r180; PIN_NUMBER "212" at 2722.09,-1626.09 h8 r180; PIN_NUMBER "29" at 845.36,-1948.92 h8 r180; PIN_NUMBER "27" at 825.68,-1948.92 h8 r180; PIN_NUMBER "42" at 973.32,-1626.09 h8 r180; PIN_NUMBER "40" at 953.63,-1626.09 h8 r180; PIN_NUMBER "48" at 1032.37,-1626.09 h8 r180; PIN_NUMBER "46" at 1012.69,-1626.09 h8 r180; PIN_NUMBER "54" at 1091.43,-1626.09 h8 r180; PIN_NUMBER "52" at 1071.74,-1626.09 h8 r180; PIN_NUMBER "60" at 1150.48,-1626.09 h8 r180; PIN_NUMBER "58" at 1130.8,-1626.09 h8 r180; PIN_NUMBER "66" at 1209.54,-1626.09 h8 r180; PIN_NUMBER "64" at 1189.85,-1626.09 h8 r180; PIN_NUMBER "39" at 943.79,-1948.92 h8 r180; PIN_NUMBER "45" at 1002.84,-1948.92 h8 r180; PIN_NUMBER "229" at 2889.41,-1948.92 h8 r180; PIN_NUMBER "227" at 2869.72,-1948.92 h8 r180; PIN_NUMBER "225" at 2850.04,-1948.92 h8 r180; PIN_NUMBER "223" at 2830.35,-1948.92 h8 r180; PIN_NUMBER "221" at 2810.67,-1948.92 h8 r180; PIN_NUMBER "47" at 1022.53,-1948.92 h8 r180; PIN_NUMBER "219" at 2790.98,-1948.92 h8 r180; PIN_NUMBER "143" at 1964.21,-1948.92 h8 r180; PIN_NUMBER "145" at 2062.64,-1948.92 h8 r180; PIN_NUMBER "41" at 963.47,-1948.92 h8 r180; PIN_NUMBER "3" at 592.66,-1948.92 h8 r180; PIN_NUMBER "5" at 612.34,-1948.92 h8 r180; PIN_NUMBER "17" at 727.25,-1948.92 h8 r180; PIN_NUMBER "15" at 707.57,-1948.92 h8 r180; PIN_NUMBER "11" at 668.2,-1948.92 h8 r180; PIN_NUMBER "9" at 651.71,-1948.92 h8 r180; PIN_NUMBER "23" at 786.31,-1948.92 h8 r180; PIN_NUMBER "21" at 766.62,-1948.92 h8 r180; PIN_NUMBER "33" at 884.73,-1948.92 h8 r180; PIN_NUMBER "35" at 904.42,-1948.92 h8 r180; PIN_NUMBER "88" at 1426.07,-1626.09 h8 r180; PIN_NUMBER "92" at 1465.44,-1626.09 h8 r180; PIN_NUMBER "90" at 1445.76,-1626.09 h8 r180; PIN_NUMBER "203" at 2633.5,-1948.92 h8 r180; PIN_NUMBER "224" at 2840.2,-1626.09 h8 r180; PIN_NUMBER "209" at 2692.56,-1948.92 h8 r180; PIN_NUMBER "205" at 2653.19,-1948.92 h8 r180; PIN_NUMBER "226" at 2859.88,-1626.09 h8 r180; PIN_NUMBER "222" at 2820.51,-1626.09 h8 r180; PIN_NUMBER "207" at 2672.87,-1948.92 h8 r180; PIN_NUMBER "220" at 2800.83,-1626.09 h8 r180; PIN_NUMBER "191" at 2515.39,-1948.92 h8 r180; PIN_NUMBER "57" at 1120.95,-1948.92 h8 r180; PIN_NUMBER "59" at 1140.64,-1948.92 h8 r180; PIN_NUMBER "51" at 1061.9,-1948.92 h8 r180; PIN_NUMBER "53" at 1081.58,-1948.92 h8 r180; PIN_NUMBER "76" at 1307.96,-1626.09 h8 r180; PIN_NUMBER "70" at 1248.91,-1626.09 h8 r180; PIN_NUMBER "84" at 1386.7,-1626.09 h8 r180; PIN_NUMBER "82" at 1367.02,-1626.09 h8 r180; PIN_NUMBER "72" at 1268.59,-1626.09 h8 r180; PIN_NUMBER "78" at 1327.65,-1626.09 h8 r180; NVIDIA_INFO "2.50" at 2237.75,-2072 h31.5 r180; NVIDIA_INFO "28.50" at 2694.36,-2165.58 h31.5 r180; NVIDIA_INFO "1.025" at 767.51,-2056.76 h31.5 r180; NVIDIA_INFO "35.50" at 1336.09,-2167.15 h31.5 r180; NVIDIA_INFO "68.80" at 1951.25,-2308.57 h31.5 r180; NVIDIA_INFO "1.75" at 388.93,-2063.1 h31.5 r270; NVIDIA_INFO "4.10" at 3521.72,-1828.37 h31.5 r270; NVIDIA_INFO "4.10" at 3521.72,-1666.96 h31.5 r270; NVIDIA_INFO "8.00" at 3700.07,-1581.92 h31.5 r270; NVIDIA_INFO "28.50" at 2704.21,-1323.33 h31.5 r180; NVIDIA_INFO "2.00" at 3580.5,-1324.51 h31.5 r180; NVIDIA_INFO "2.50" at 2220.27,-1228.65 h31.5 r180; NVIDIA_INFO "37.90" at 1370.03,-1287.35 h31.5 r180; NVIDIA_INFO "35.50" at 1375.98,-1373.45 h31.5 r180; NVIDIA_INFO "3.35" at 3587.08,-1188.22 h31.5 r180; NVIDIA_INFO "75.50" at 1951.25,-1055.58 h31.5 r180; NVIDIA_INFO "3.50" at 3641.53,-1265.46 h31.5 r270; NVIDIA_INFO "3.35" at 517.71,-1117.74 h31.5 r180; NVIDIA_INFO "12.00" at 243.26,-1498.14 h31.5 r270; NVIDIA_INFO "1.275" at 782.67,-1209.16 h31.5 r180; NVIDIA_INFO "0.50" at 1185.43,-2052.35 h31.5 r180; NVIDIA_INFO "0.28" at 1494.87,-2055.97 h31.5 r180; NVIDIA_INFO "0.50" at 1155.9,-1509.79 h31.5 r180; NVIDIA_INFO "3.50" at 293.85,-1107.98 h31.5 r270; NVIDIA_INFO "DIA1.10" at 3677.71,-2103.06 h31.5 r180; NVIDIA_INFO "DIA1.60" at 233.69,-1890.81 h31.5 r180; MECH_DIMENSION "1.125" at 2258.26,-2091.05 h31.5 r180; MECH_DIMENSION "2.50" at 2258.69,-2182.31 h31.5 r180; MECH_DIMENSION "28.50" at 2694.4,-2270.07 h31.5 r180; MECH_DIMENSION "35.50" at 1336.13,-2272.66 h31.5 r180; MECH_DIMENSION "0.12" at 1202.75,-2059.87 h31.5 r180; MECH_DIMENSION "0.50" at 712.98,-2054.12 h31.5 r180; MECH_DIMENSION "73.00" at 1964.56,-2672.86 h31.5 r180; MECH_DIMENSION "73.25" at 1968.22,-2762.43 h31.5 r180; MECH_DIMENSION "2.80" at 3477.08,-1205.89 h31.5 r270; MECH_DIMENSION "2.80" at 296.45,-1121.76 h31.5 r270; MECH_DIMENSION "1.375" at 2353.22,-817.82 h31.5 r180; MECH_DIMENSION "2.50" at 2352.91,-717.43 h31.5 r180; MECH_DIMENSION "28.50" at 2704.24,-598.92 h31.5 r180; MECH_DIMENSION "35.50" at 1345.98,-598.88 h31.5 r180; MECH_DIMENSION "0.50" at 1224.21,-767.55 h31.5 r180; MECH_DIMENSION "0.85" at 288.18,-834.4 h31.5 r180; MECH_DIMENSION "0.85" at 3632.63,-860.11 h31.5 r180; MECH_DIMENSION "5.00" at 115.82,-1843.41 h31.5 r270; MECH_DIMENSION "12.00" at 219.09,-1498.14 h31.5 r270; MECH_DIMENSION "8.00" at 3622.24,-1587.51 h31.5 r270; MECH_DIMENSION "20.85" at 115.82,-1489.44 h31.5 r270; MECH_DIMENSION "76.10" at 1959.09,-303.02 h31.5 r180; MECH_DIMENSION "78.00 MAX" at 2022.32,-206.64 h31.5 r180; MECH_DIMENSION "71.96" at 1958.54,-405.81 h31.5 r180; MECH_DIMENSION "DIA0.90" at 3741.88,-2029.87 h31.5 r180; MECH_DIMENSION "DIA1.40" at 304.64,-2035.14 h31.5 r180; MECH_DIMENSION "1.30" at 304.6,-2126.96 h31.5 r180; MECH_DIMENSION "68.80" at 1960.7,-2584.95 h31.5 r180; MECH_DIMENSION "34.40" at 2628.42,-2476.8 h31.5 r180; MECH_DIMENSION "3.50" at 2358.3,-2387.43 h31.5 r180; MECH_DIMENSION "0.65" at 3391.45,-2039.67 h31.5 r270; MECH_DIMENSION "0.65" at 3463.85,-1812.98 h31.5 r270; MECH_DIMENSION "4.4" at 3548.5,-1832.23 h31.5 r270; MECH_DIMENSION "4.4" at 3548.5,-1669.2 h31.5 r270; MECH_DIMENSION "26.10" at 20.27,-1493.77 h31.5 r270; NV_MECH_MATING "MATING CARD" at 236.69,-434.04 h15 r180; NV_MECH_MATING "69.60" at 1951.29,-467.23 h31.5 r180; NV_MECH_MATING "69.75" at 1953.93,-385.07 h31.5 r180; NV_MECH_MATING "30.00" at 3366.25,-1124.44 h31.5 r270; NV_MECH_MATING "30.15" at 3458.73,-1124.44 h31.5 r270; NV_MECH_MATING "30.50 MAX" at 340.74,-1064.87 h31.5 r270
J2: REVISION "2" at 3764,-1302 h40 r90; PIN_NUMBER "39" at 3814,-352 h20 r90; PIN_NUMBER "34" at 3714,-652 h20 r90; PIN_NUMBER "30" at 3714,-852 h20 r90; PIN_NUMBER "25" at 3814,-1052 h20 r90; PIN_NUMBER "20" at 3714,-1352 h20 r90; PIN_NUMBER "14" at 3714,-1652 h20 r90; PIN_NUMBER "9" at 3822,-1852 h20 r90; PIN_NUMBER "6" at 3722,-2052 h20 r90; PIN_NUMBER "28" at 3714,-952 h20 r90; PIN_NUMBER "27" at 3814,-952 h20 r90; PIN_NUMBER "5" at 3822,-2052 h20 r90; PIN_NUMBER "17" at 3814,-1452 h20 r90; PIN_NUMBER "1" at 3822,-2252 h20 r90; PIN_NUMBER "4" at 3722,-2152 h20 r90; PIN_NUMBER "2" at 3722,-2252 h20 r90; PIN_NUMBER "31" at 3814,-752 h20 r90; PIN_NUMBER "26" at 3714,-1052 h20 r90; PIN_NUMBER "40" at 3714,-352 h20 r90; PIN_NUMBER "7" at 3822,-1952 h20 r90; PIN_NUMBER "19" at 3814,-1352 h20 r90; PIN_NUMBER "38" at 3714,-452 h20 r90; PIN_NUMBER "36" at 3714,-552 h20 r90; PIN_NUMBER "24" at 3714,-1152 h20 r90; PIN_NUMBER "23" at 3814,-1152 h20 r90; PIN_NUMBER "35" at 3814,-552 h20 r90; PIN_NUMBER "8" at 3722,-1952 h20 r90; PIN_NUMBER "32" at 3714,-752 h20 r90; PIN_NUMBER "10" at 3714,-1852 h20 r90; PIN_NUMBER "33" at 3814,-652 h20 r90; PIN_NUMBER "18" at 3714,-1452 h20 r90; PIN_NUMBER "29" at 3814,-852 h20 r90; PIN_NUMBER "22" at 3714,-1252 h20 r90; PIN_NUMBER "37" at 3814,-452 h20 r90; PIN_NUMBER "16" at 3714,-1552 h20 r90; PIN_NUMBER "12" at 3714,-1752 h20 r90; PIN_NUMBER "21" at 3814,-1252 h20 r90; PIN_NUMBER "3" at 3822,-2152 h20 r90; PIN_NUMBER "15" at 3814,-1552 h20 r90; PIN_NUMBER "11" at 3814,-1752 h20 r90; PIN_NUMBER "13" at 3814,-1652 h20 r90; NVIDIA_INFO "2.54" at 3687.48,-270.86 h25.2 r180; NVIDIA_INFO "DIA1.60" at 3666.61,-2485.82 h25.2 r90; NVIDIA_INFO "DIA1.10" at 3782.17,-2486.76 h25.2 r90; NVIDIA_INFO "48.26" at 3966.89,-1358.69 h25.2 r90; NVIDIA_INFO "2.54" at 3921.1,-2009.48 h25.2 r90; MECH_DIMENSION "51.20" at 3543.43,-1349.24 h25.2 r90; MECH_DIMENSION "50.80" at 3597.44,-1353.97 h25.2 r90; MECH_DIMENSION "5.08" at 3820.16,-160.31 h25.2 r180; MECH_DIMENSION "5.28" at 3817.8,-98.22 h25.2 r180; MECH_DIMENSION "2.54" at 3687.48,-2363.97 h25.2 r180; MECH_DIMENSION "2.54" at 3940.91,-2109.48 h25.2 r90; MECH_DIMENSION "0.64SQ" at 3938.39,-1768.61 h25.2 r90; MECH_DIMENSION "9.50" at 3950.68,-1302 h20 r90; MECH_DIMENSION "9.75" at 4001.15,-1302 h20 r90; MECH_DIMENSION "6.00" at 3758.63,-13.42 h20 r90; MECH_DIMENSION "6.25" at 3758.63,76.7 h20 r90; MECH_DIMENSION "CAP" at 3534.02,-910.31 h25.2 r90
J3: PIN_NUMBER "H5" at 3764.73,-2804.07 h10; PIN_NUMBER "H6" at 3470.27,-2791.57 h10; PIN_NUMBER "A1" at 3508.65,-2765.19 h10; PIN_NUMBER "A12" at 3726.11,-2764.21 h10 r90; PIN_NUMBER "B12" at 3499.73,-2830.74 h10 r90; PIN_NUMBER "H1" at 3774.6,-2840.78 h10; PIN_NUMBER "H2" at 3449.4,-2840.78 h10; PIN_NUMBER "H3" at 3789.16,-3075.03 h10; PIN_NUMBER "H4" at 3434.84,-3075.03 h10; PIN_NUMBER "B1" at 3715.35,-2831.73 h10; PIN_NUMBER "B3" at 3675.98,-2831.73 h10; PIN_NUMBER "B2" at 3695.66,-2831.73 h10; PIN_NUMBER "B8" at 3577.55,-2831.73 h10; PIN_NUMBER "B5" at 3636.61,-2831.73 h10; PIN_NUMBER "A8" at 3646.45,-2765.19 h10; PIN_NUMBER "B4" at 3656.29,-2831.73 h10; PIN_NUMBER "A9" at 3666.13,-2765.19 h10; PIN_NUMBER "A4" at 3567.71,-2765.19 h10; PIN_NUMBER "B9" at 3557.87,-2831.73 h10; PIN_NUMBER "A10" at 3686.74,-2764.21 h10 r90; PIN_NUMBER "B11" at 3519.42,-2830.74 h10 r90; PIN_NUMBER "A7" at 3626.76,-2765.19 h10; PIN_NUMBER "B7" at 3597.24,-2831.73 h10; PIN_NUMBER "B10" at 3539.1,-2830.74 h10 r90; PIN_NUMBER "A5" at 3587.39,-2765.19 h10; PIN_NUMBER "A6" at 3607.08,-2765.19 h10; PIN_NUMBER "B6" at 3616.92,-2831.73 h10; PIN_NUMBER "A11" at 3706.42,-2764.21 h10 r90; PIN_NUMBER "A3" at 3548.02,-2765.19 h10; PIN_NUMBER "A2" at 3528.34,-2765.19 h10
J4: PIN_NUMBER "1" at 2434.7,-2976.97 h12 r90; PIN_NUMBER "3" at 2240.6,-2958.92 h12; PIN_NUMBER "4" at 2490.6,-2958.92 h12; PIN_NUMBER "2" at 2385.49,-3002.75 h12 r90